# Altium PCB MB1404.PcbDoc (part 6 of 7)
Units mm, origin at the board's own origin, x right, y up, seen from the top; angles counter-clockwise.
Board outline 70 x 133.34 mm, 6 copper layers (Top Layer, Signal Layer 1, Signal Layer 2, Signal Layer 3, Signal Layer 4, Bottom Layer), stack 1.57 mm thick; 345 components, 311 nets, 1508 pads, 1746 vias.
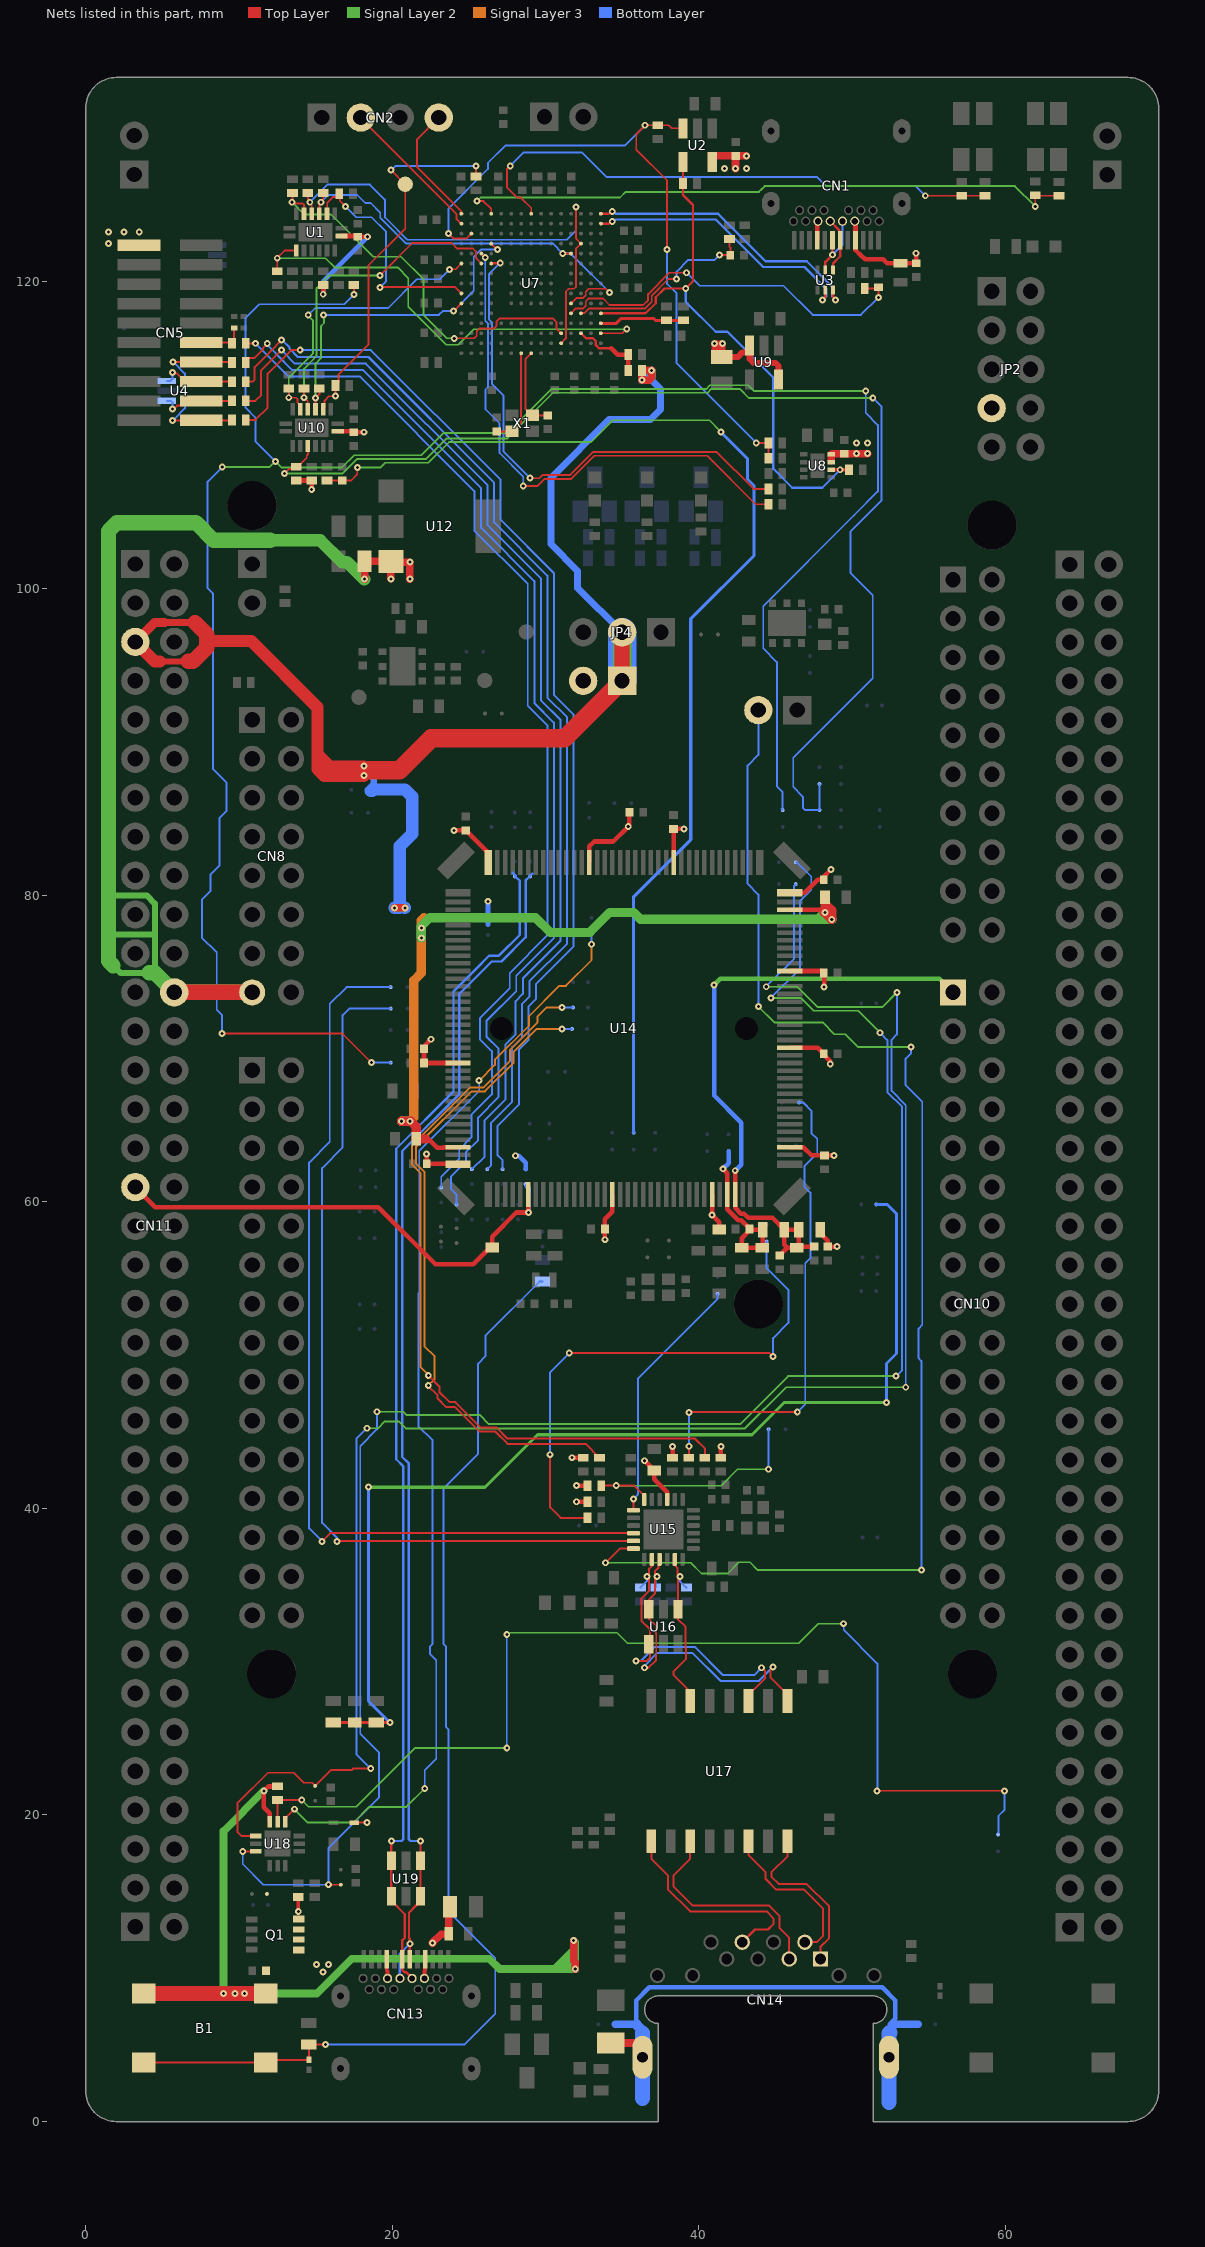
[diagram p10: the nets of this part, all layers, seen from the top]

## Via types
v1: diameter 0.45, hole 0.2, Top Layer to Bottom Layer, tented both sides, 1737 vias
v2: diameter 0.6, hole 0.3, Top Layer to Bottom Layer, tented both sides, 9 vias

## Nets (pads, with @x,y where several pads share a name; then routed paths per layer and width w, separated by ;. In a path a pad name is that pad's centre, name@x,y a point inside that pad or via, vN(x,y) a via of type N, cw(c..) or ccw(c..) an arc to the next point about the centre after c; other vN are vias at no path point) (continued)
RD_P: R72.1 U15.23 U16.1 U17.6 | length 11.4
  Top Layer w0.13: U15.23@38.441,36.679 38.391,36.629 38.391,36.319 38.623,36.087 38.623,35.697 v1(38.766,35.554) 38.632,35.42 38.632,33.438 U16.1@38.641,33.429 38.641,32.781 39.148,32.274 39.148,30.85 ; 39.15,30.85 39.15,30.16 38.341,29.351 38.341,29.134 39.441,28.034 U17.6@39.441,27.434
  Bottom Layer w0.13: v1(38.766,35.554) 38.766,35.254 R72.1@39.191,34.829
RMII_CRS_DV: R37.1 SB38.2 | length 43.2
  Top Layer w0.127: v1(22.355,48.025) 22.355,47.968 22.958,47.365 22.958,47.167 23.5,46.625 24.075,46.625 25.681,45.019 26.706,45.019 27.525,44.2 32.62,44.2 R37.1@33.516,43.304
  Signal Layer 3 w0.127: v1(22.355,48.025) 22.764,48.433 22.764,49.911 22.1,50.575 22.1,61.949 21.547,62.502 21.547,63.573 25.174,67.2 26.05,67.2 27.922,69.072 27.922,69.772 29.425,71.275 v1(31.075,71.275)
  Bottom Layer w0.127: v1@31.125,71.3 31.15,71.275 SB38.2@31.725,71.275
RMII_MDC: SB62.1 U15.13 | length 16.4
  Top Layer w0.127: U15.13@35.741,39.879 v1(35.741,40.604)
  Bottom Layer w0.127: v1(35.741,40.604) 36.025,40.888 36.025,48.47 41.225,53.67 SB62.1@41.225,54
RMII_MDIO: R43.1 SB69.2 U15.12 | length 16.4
  Top Layer w0.127: R43.1@33.641,41.479 v1(34.616,41.479) 35.787,41.479 36.441,40.825 U15.12@36.441,40.579
  Signal Layer 2 w0.12: v1@34.575,41.5 34.596,41.479 v1(34.616,41.479) 41.454,41.479 42.525,42.55 v1(44.55,42.55)
  Bottom Layer w0.127: v1(44.55,42.55) 44.556,42.556 SB69.2@44.556,45.156
RMII_REF_CLK: R45.1 SB58.2 | length 35.2
  Top Layer w0.127: v1(30.3,43.5) 30.3,40.069 30.99,39.379 R45.1@32.741,39.379 ; v1(31.55,50.125) 44.625,50.125 v1(44.85,49.9)
  Bottom Layer w0.127: v1(30.3,43.5) 30.3,48.875 v1(31.55,50.125) ; SB58.2@44.425,57.4 44.425,55.675 45.85,54.25 45.85,52.1 44.85,51.1 v1(44.85,49.9)
RMII_RXD0: R40.1 SB42.1 | length 31.8
  Top Layer w0.127: R40.1@39.341,43.304 39.35,43.313 v1(39.35,44.05) ; v1(39.35,46.25) 39.375,46.275 v1(46.425,46.275)
  Bottom Layer w0.127: v1(39.35,44.05) v1(39.35,46.25) ; v1(46.425,46.275) 46.944,46.794 46.944,55.995 47.273,56.325 47.273,60.601 46.892,60.983 46.892,62.319 47.727,63.155 47.727,64.102 47.35,64.479 47.35,65.925 46.8,66.475 SB42.1@46.55,66.475 SB42.1@46.5,66.475
RMII_RXD1: R41.1 SB36.1 | length 51.1
  Top Layer w0.127: v1(22.355,48.675) 23.086,47.944 23.086,47.586 23.747,46.925 24.125,46.925 25.784,45.266 26.808,45.266 27.518,44.556 39.744,44.556 40.391,43.909 R41.1@40.391,43.304
  Signal Layer 3 w0.127: v1(22.355,48.675) 22.355,48.703 21.848,49.209 21.848,61.852 21.3,62.4 21.3,63.675 25.072,67.447 25.947,67.447 27.675,69.175 27.675,69.881 29.475,71.681 29.475,72.075 30.075,72.675 v1(31.075,72.675)
  Bottom Layer w0.127: v1(31.075,72.675) SB36.1@31.8,72.675
RMII_TX_EN: SB34.1 U15.16 | length 60.9
  Top Layer w0.127: v1(15.425,37.85) 15.954,38.379 U15.16@35.741,38.379
  Bottom Layer w0.127: v1(15.425,37.85) 14.575,38.7 14.575,62.55 15.925,63.9 15.925,72.902 17.023,74 SB34.1@19.9,74
RMII_TXD0: SB37.1 U15.17 | length 57.9
  Top Layer w0.127: v1(16.4,37.85) 16.429,37.879 U15.17@35.741,37.879
  Bottom Layer w0.127: v1(16.4,37.85) 16.4,38.073 15.424,39.049 15.424,45.576 15.422,45.578 15.422,62.199 16.772,63.549 16.772,72.175 17.197,72.6 SB37.1@19.9,72.6
RMII_TXD1: JP6.2 U15.18 | length 89.5
  Top Layer w0.127: v1(33.925,36.45) 34.854,37.379 U15.18@35.741,37.379
  Signal Layer 2 w0.12: v1(33.925,36.45) 39.475,36.45 40.175,35.75 41.875,35.75 42.609,36.484 43.341,36.484 43.85,35.975 v1(54.525,35.975) ; v1(43.886,72.736) 44.922,71.7 48.075,71.7 48.85,70.925 49.558,70.925 50.383,70.1 v1(53.85,70.1)
  Bottom Layer w0.127: v1(43.886,72.736) 43.886,80.039 43.181,80.744 43.181,88.445 43.886,89.15 JP6.2@43.886,92.074 ; v1(53.85,70.1) 53.85,69.702 53.486,69.338 53.486,67.609 54.578,66.517 54.578,51.97 54.338,51.73 54.338,49.795 54.522,49.611 54.522,38.757 54.525,38.753 v1(54.525,35.975)
RX_N: CN14.6 U17.9 | length 14.1
  Top Layer w0.13: U17.9@36.901,18.284 36.901,17.149 37.984,16.066 37.984,15.161 39.441,13.704 44.426,13.704 44.871,13.259 44.871,12.884 44.516,12.529 43.668,12.529 CN14.6@42.839,11.7
RX_P: CN14.3 U17.11 | length 14.2
  Top Layer w0.13: U17.11@39.441,18.284 39.441,17.141 38.366,16.066 38.366,15.319 39.599,14.086 44.584,14.086 45.253,13.417 45.253,12.642 45.899,11.996 CN14.3@45.899,10.6
SHGND: C91.1 CN14.SH1 CN14.SH2 SB76.1 SB77.1 | length 38.4
  Top Layer w0.5: C91.1@34.25,5.125 36.444,5.125 36.329,5.01 CN14.SH2@36.329,4.2
  Bottom Layer w0.3: 36.325,5.775 36.329,6.196 35.919,6.606 35.919,7.894 36.774,8.75 51.963,8.75 52.819,7.894 52.819,6.705 52.45,6.337 52.45,5.8
  Bottom Layer w0.5: SB77.1@34.55,6.35 35.8,6.35 36.05,6.1 36.325,5.775 ; 52.409,5.759 52.409,5.959 52.8,6.35 SB76.1@54.325,6.35
  Bottom Layer w1: 36.325,5.775 CN14.SH2@36.329,4.2 36.329,1.529 ; 52.409,1.266 CN14.SH1@52.409,4.2 52.409,5.759 52.45,5.8
STLK_LED: R8.1 R9.2 U7.D15 | length 41
  Top Layer w0.12: v1(25.541,125.279) 25.952,125.279 26.466,124.764 26.466,124.459 U7.D15@26.475,124.45 ; R8.1@61.941,125.652 R8.1@61.95,125.643 ; v1@61.95,124.975 R8.1@61.95,125.643 ; R9.2@63.491,125.627 61.966,125.627 R8.1@61.95,125.643
  Signal Layer 2 w0.12: v1(25.541,125.279) 25.771,125.509 34.859,125.509 35.225,125.875 43.925,125.875 44.1,126.05 ; 44.096,126.054 44.291,126.25 60.625,126.25 v1(61.95,124.925)
STLK_MCO: C35.1 R77.2 SB49.2 | length 77.7
  Top Layer w0.12: R77.2@15.75,107.05 C35.1@16.75,107.05 17.325,107.05 17.725,107.45 v1(17.725,107.9)
  Signal Layer 2 w0.12: v1(17.725,107.9) 19.25,107.9 19.56,108.21 22.36,108.21 23.71,109.56 32.975,109.56 34.39,110.975 40.7,110.975 41.4,110.275 v1@41.4,110.25
  Bottom Layer w0.2: SB49.2@35.75,64.5 35.75,79.9 39.475,83.625 39.475,98.025 43.6,102.15 43.6,106.725 43.175,107.15 43.175,108.475 41.437,110.212 v1(41.45,110.225)
STLK_OSC_IN: C20.2 U7.G1 X1.1 | length 6.4
  Top Layer w0.127: C20.2@26.825,110.25 X1.1@27.8,110.25 27.85,110.25 28.416,110.816 U7.G1@28.416,115.354
STLK_OSC_OUT: C24.2 U7.H1 X1.3 | length 5.4
  Top Layer w0.127: U7.H1@29.066,115.354 28.7,114.988 28.7,111.7 29.1,111.3 X1.3@29.15,111.3 C24.2@30.15,111.3
STLK_SWCLK: CN2.2 U7.A14 | length 9.3
  Top Layer w0.12: CN2.2@18.2,130.45 18.2,130.431 24.184,124.447 24.184,124.136 U7.A14@24.516,123.804
STLK_SWDIO: CN2.4 U7.A15 | length 8.1
  Top Layer w0.12: CN2.4@23.1,130.7 23.01,130.7 21.625,129.315 21.625,127.495 24.516,124.604 U7.A15@24.516,124.454
STLK_UCPD_CC1_C: C5.1 R27.2 U7.M5 | length 25.1
  Top Layer w0.12: U7.M5@31.666,117.954 31.987,118.275 32.45,118.275 32.625,118.45 32.625,118.725 32.825,118.925 33.75,118.925 34.176,118.499 36.374,118.499 36.696,118.821 36.696,119.21 38.086,120.6 v1(39.2,120.6) ; R27.2@50.825,119.575 51.65,119.575 C5.1@51.725,119.65 v1(51.725,119)
  Bottom Layer w0.12: v1(39.2,120.6) 40.05,119.75 45.525,119.75 47.425,117.85 50.575,117.85 51.7,118.975 v1@51.75,118.975
STLK_UCPD_CC2_C: C19.1 R64.2 U7.N5 | length 12.7
  Top Layer w0.12: U7.N5@32.316,117.954 32.341,117.979 32.554,117.979 32.834,118.259 36.473,118.259 36.936,118.722 36.936,119.111 38.025,120.2 38.545,120.2 v1(38.55,120.195) ; v1(41.35,121.75) C19.1@41.9,121.75 ; R64.2@42,122.8 42,122.3 42.075,122.225 C19.1@42.075,121.825
  Bottom Layer w0.12: v1@38.525,120.2 38.55,120.225 38.55,120.675 39.312,121.437 41.037,121.437 v1(41.35,121.75) v1@41.375,121.75
STLK_USB_CN_N: CN1.A7 CN1.B7 U3.2 | length 4.6
  Top Layer w0.155: U3.2@48.25,120.775 48.258,120.783 48.258,121.308 v1(48.725,121.775) CN1.A7@48.725,122.715
  Bottom Layer w0.155: v1(48.725,121.775) 49.375,122.425 CN1.B7@49.375,123.965
STLK_USB_CN_P: CN1.A6 CN1.B6 U3.1 | length 3.7
  Top Layer w0.155: CN1.B6@48.575,123.965 49.153,123.387 49.153,122.787 CN1.A6@49.225,122.715 49.225,121.677 48.758,121.211 48.758,120.783 U3.1@48.75,120.775
STLK_USB_N: U3.5 U7.R14 | length 18.1
  Top Layer w0.155: U7.R14@33.616,123.804 34.141,123.804 v1@34.276,123.938 ; v1(48.075,118.825) 48.25,119 U3.5@48.25,119.475
  Bottom Layer w0.155: v1@34.435,123.938 34.57,124.073 41.102,124.073 44.202,120.973 46.887,120.973 48.309,119.55 48.309,119.063 v1@48.075,118.829
  other v1: 34.355,123.938
STLK_USB_P: U3.6 U7.R15 | length 18.7
  Top Layer w0.155: U7.R15@33.616,124.454 34.141,124.454 v1@34.276,124.588 ; U3.6@48.75,119.475 48.75,119 v1(48.925,118.825)
  Bottom Layer w0.155: v1@34.435,124.588 34.57,124.454 41.26,124.454 44.36,121.354 47.044,121.354 48.69,119.708 48.69,119.063 v1@48.925,118.829
  other v1: 34.355,124.588
STLK_VCP_RX: R16.1 U7.C10 U10.5 | length 21.6
  Top Layer w0.12: R16.1@14.25,113.025 v1(14.25,112.45) 14.49,112.21 14.49,111.71 U10.5@14.5,111.7 ; v1@19.25,120.475 21.325,122.55 23.87,122.55 24.241,122.179 25.272,122.179 25.471,121.98 25.471,121.549 U7.C10@25.816,121.204
  Signal Layer 2 w0.12: v1(14.25,112.45) 14.25,114.35 14.9,115 14.9,115.061 15.065,115.226 15.065,119.601 15.889,120.425 v1(19.2,120.425)
STLK_VCP_TX: R95.2 U1.3 U7.A7 | length 15.3
  Top Layer w0.12: U1.3@15.75,124.45 15.76,124.46 15.76,125.16 16.15,125.55 16.355,125.55 16.55,125.745 R95.2@16.55,125.75 16.6,125.7 16.6,125.275 v1(16.95,124.925) ; v1(19.2,119.65) 19.217,119.667 24.103,119.667 U7.A7@24.516,119.254
  Bottom Layer w0.12: v1(16.95,124.925) 17.65,124.225 18.65,124.225 19.605,123.27 19.605,120.33 19.6,120.325 19.6,120.05 19.275,119.725 v1@19.275,119.675
SW_DIR: R22.2 U1.10 U7.R3 | length 30.8
  Top Layer w0.12: R22.2@12.5,120.725 v1(12.5,121.55) 12.5,121.575 12.975,122.05 U1.10@13.75,122.05 ; U7.R3@33.6,116.65 33.604,116.654 34.993,116.654 35.259,116.92 v1(35.3,116.92)
  Signal Layer 2 w0.12: v1(12.5,121.55) 15.65,121.55 16.25,120.95 20.35,120.95 21.05,120.25 21.05,118.375 23.525,115.9 24.3,115.9 25.32,116.92 v1(35.3,116.92)
T_JRCLK: R19.1 U7.A10 U10.6 | length 19.4
  Top Layer w0.12: v1(13.25,112.45) 13.725,112.45 13.83,112.345 13.83,112.12 14,111.95 U10.6@14,111.7 ; v1@13.25,112.525 R19.1@13.25,113.05 ; v1(23.75,120.825) 24.137,120.825 U7.A10@24.516,121.204
  Signal Layer 2 w0.12: v1(13.25,112.45) 13.25,113.75 14.825,115.325 14.825,117.492 14.525,117.792 v1(14.525,117.85)
  Bottom Layer w0.12: v1@14.5,117.85 v1(14.525,117.85) 14.979,118.304 19.729,118.304 21.6,120.175 23.1,120.175 v1(23.75,120.825)
T_JTDI: R81.1 U1.6 U7.L3 | length 26.1
  Top Layer w0.12: v1(13.475,125.2) 13.495,125.2 v1@13.5,125.195 ; R81.1@13.475,125.775 13.5,125.75 v1@13.5,125.195 ; U1.6@14.25,124.45 14.25,125.025 14.15,125.125 13.57,125.125 v1@13.5,125.195 ; v1(24.05,116.325) 25.35,116.325 25.511,116.486 25.511,116.78 25.525,116.794 25.525,116.8 25.684,116.959 26.4,116.959 26.404,116.962 26.638,116.962 26.811,117.136 26.811,117.43 26.99,117.609 30.492,117.609 30.563,117.538 30.711,117.39 30.711,116.959 U7.L3@31.016,116.654
  Signal Layer 2 w0.12: v1(13.475,125.2) 14.275,124.4 16.025,124.4 18.775,121.65 20.575,121.65 22.05,120.175 22.05,117.825 23.55,116.325 v1(24.05,116.325)
T_MCO: R5.2 R78.2 TP13.1 U10.3 | length 24.6
  Top Layer w0.12: U10.3@15.5,111.7 15.59,111.79 15.59,112.265 15.875,112.55 v1(16.3,112.55) ; v1@16.3,112.686 R78.2@16.3,113.25 16.495,113.445 16.495,113.945 18.45,115.9 18.45,121.075 20.85,123.475 20.85,126.275 TP13.1@20.775,126.35 ; v1(19.925,127.3) TP13.1@20.8,126.425 ; R5.2@25.466,126.879 25.475,126.888 v1(25.475,127.575)
  Bottom Layer w0.12: v1(19.925,127.3) 19.948,127.3 20.223,127.575 v1(25.475,127.575)
T_PWR_EN: R7.2 R93.2 U2.4 U7.R5 U8.2 | length 36.2
  Top Layer w0.12: R7.2@38.975,126.425 U2.4@38.975,127.825
  Top Layer w0.15: U7.R5@33.616,117.954 36.529,117.954 37.191,118.616 37.191,119.005 37.761,119.575 v1(39.15,119.575) 39.625,120.05 39.625,125.025 38.975,125.675 R7.2@38.975,126.425
  Top Layer w0.2: U8.2@48.65,107.75 v1(49.225,107.75) ; v1@49.275,107.725 49.3,107.75 R93.2@49.8,107.75
  Bottom Layer w0.15: v1(39.15,119.575) 39.15,118.7 41.1,116.75 41.875,116.75 44.85,113.775 44.85,107.825 46.1,106.575 48.05,106.575 v1(49.225,107.75)
T_PWR_EXT: R14.1 R15.1 U7.R4 | length 5.6
  Top Layer w0.2: U7.R4@33.616,117.304 34.625,117.304 34.946,117.625 37.05,117.625 37.175,117.5 ; 37.181,117.494 37.187,117.5 R15.1@37.9,117.5 R14.1@39,117.5
T_PWR_INT: R1.2 R2.2 R85.2 U2.3 U7.B13 | length 47.2
  Top Layer w0.12: v1(23.675,123.159) 24.009,122.825 24.837,122.825 U7.B13@25.166,123.154 ; v1(36.5,130.225) 35.925,129.65 35.925,128.625 37.925,126.625 37.925,122.2 v1@37.9,122.175 ; v1@36.625,130.225 R1.2@37.325,130.225 38.05,130.225 38.25,130.025 U2.3@38.975,130.025 ; v1(43.75,109.5) 44.45,109.5 R85.2@44.525,109.425 ; R2.2@44.525,108.35 R2.2@44.55,108.325 ; R2.2@44.55,108.5 R85.2@44.55,109.5
  Bottom Layer w0.12: v1(23.675,123.159) 23.675,124.8 26.25,127.375 26.25,127.775 27.375,128.9 35.175,128.9 v1(36.5,130.225) ; v1(37.925,122.125) 37.925,119.875 38.55,119.25 38.55,114.7 v1(43.75,109.5)
T_PWR_LED: R3.2 R4.2 U7.H15 | length 36.5
  Top Layer w0.12: v1(27.7,127.575) 27.5,127.375 27.5,126.145 28.145,125.5 28.4,125.5 29.075,124.825 29.075,124.463 U7.H15@29.066,124.454 ; v1(54.775,125.625) R3.2@57.15,125.625 R4.2@58.675,125.625
  Bottom Layer w0.12: v1(27.7,127.575) 28.575,128.45 32.375,128.45 33.975,126.85 47.7,126.85 48.3,126.25 54.15,126.25 v1(54.775,125.625)
T_PWR_SEL1: R86.2 U7.D10 | length 33.3
  Top Layer w0.12: v1(29,107.2) 29.6,107.2 29.8,107.4 31.589,107.4 33.089,108.9 41.175,108.9 43.575,106.5 R86.2@44.55,106.5
  Top Layer w0.15: U7.D10@26.466,121.204 26.485,121.223 27.023,121.223 v1(27.05,121.25)
  Bottom Layer w0.12: v1(27.05,121.25) 26.312,120.512 26.312,117.568 26.502,117.377 26.502,115.502 26.5,115.5 26.5,113.35 27.25,112.6 27.25,108.95 v1(29,107.2)
T_PWR_SEL2: R87.2 U7.C11 | length 34.6
  Top Layer w0.12: U7.C11@25.816,121.854 v1(26.072,121.598) ; v1(28.55,106.7) 29.5,106.7 29.95,107.15 31.679,107.15 33.189,108.66 40.54,108.66 43.7,105.5 R87.2@44.55,105.5
  Bottom Layer w0.12: v1(26.072,121.598) 26.072,117.469 26.26,117.28 26.26,113.16 26.086,112.986 26.086,111.689 27,110.775 27,108.85 28.55,107.3 v1(28.55,106.7)
T_SWCLK: R79.2 U1.4 U7.M6 U7.M11 | length 27
  Top Layer w0.12: U1.4@15.25,124.45 15.26,124.46 15.26,125.06 v1@15.35,125.15 ; v1(15.35,125.2) v1@15.35,125.15 ; R79.2@15.5,125.8 15.5,125.3 v1@15.35,125.15 ; U7.M6@31.666,118.604 32.011,118.949 32.442,118.949 32.621,119.128 32.621,119.371 32.809,119.559 33.94,119.559 v1(34.175,119.325) v1(34.175,119.325)
  Top Layer w0.15: v1(31.125,121.854) U7.M11@31.666,121.854
  Bottom Layer w0.12: v1(15.35,125.2) 15.825,125.675 17.725,125.675 18.25,125.15 18.6,125.15 19.225,124.525 19.225,124.186 19.537,123.873 19.537,123.863 20.886,122.514 30.464,122.514 v1(31.125,121.854) ; v1@31.15,121.85 31.154,121.854 31.646,121.854 31.85,121.65 v1(34.175,119.325)
T_SWDIO: R80.1 U1.5 U7.L2 U7.N12 | length 33
  Top Layer w0.12: R80.1@14.5,125.8 14.5,125.325 v1(14.625,125.2) 14.75,125.075 U1.5@14.75,124.45 ; U7.L2@31,116 31.012,116 U7.L2@31.016,116.004 31.33,116.318 31.33,119.38 31.509,119.559 31.859,119.559 32,119.7 32,122.188 U7.N12@32.316,122.504 32,122.82 v1(32,124.9)
  Bottom Layer w0.12: v1(14.625,125.2) 15.775,126.35 18.55,126.35 19.525,125.375 19.525,124.225 19.675,124.075 20.996,122.754 31.379,122.754 32,123.375 v1(32,124.9)
T_SWO: R13.1 U7.A6 U7.D12 U10.4 | length 22.7
  Top Layer w0.12: U10.4@15,111.7 v1(15,112.425) 15.25,112.675 R13.1@15.25,113.025 ; v1(24,118.1) 24.006,118.1 24.51,118.604 U7.A6@24.516,118.604 ; U7.D12@26.466,122.504 v1(26.861,122.109)
  Signal Layer 2 w0.12: v1(15,112.425) 15,114.675 15.35,115.025 15.35,117.125 15.55,117.325 15.55,117.825 v1(15.525,117.85)
  Bottom Layer w0.12: v1(15.525,117.85) 23.05,117.85 23.3,118.1 v1(24,118.1) 25.325,119.425 25.325,121.65 25.8,122.125 v1@26.825,122.125
T_VCC_AIN: R17.1 R18.1 U7.N3 | length 4.7
  Top Layer w0.15: U7.N3@32.316,116.654 32.646,116.324 33.099,116.324 33.286,116.136 33.286,115.881 33.484,115.684 34.296,115.684
  Top Layer w0.3: 34.296,115.684 34.716,115.264 R17.1@35.201,115.264 ; R18.1@35.4,114.225 R17.1@35.4,115.275
T_VCP_RX: R82.2 SB18.2 SB40.1 | length 145.2
  Top Layer w0.12: v1(8.906,70.975) 16.75,70.975 v1(18.65,69.075) ; v1(17.5,119.175) R82.2@17.5,119.8
  Signal Layer 2 w0.12: v1@8.95,107.9 v1(8.914,107.936) 12.011,107.936 v1(12.375,108.3) v1@12.4,108.3 ; v1@12.425,108.3 12.425,108.25 12.775,107.9 16.725,107.9 17.525,108.7 21.9,108.7 23.35,110.15 27.525,110.15 30.39,113.015 40.476,113.015 40.726,113.265 43.235,113.265 43.425,113.075 43.615,112.885 v1(50.89,112.885)
  Bottom Layer w0.12: v1@8.9,107.923 7.955,106.978 7.955,100.029 8.316,99.668 8.316,88.216 9.198,87.334 9.198,85.498 8.741,85.041 8.741,81.951 8.15,81.36 8.15,80.275 7.586,79.711 7.586,77.229 8.553,76.262 8.553,72.53 8.906,72.177 v1(8.906,70.975) ; v1@12.325,108.35 11.075,109.6 11.075,111.16 10.44,111.795 10.44,117.665 11.325,118.55 16.875,118.55 v1(17.5,119.175) ; v1(18.65,69.075) SB40.1@19.9,69.075 ; SB18.2@45.387,85.637 SB18.2@45.475,85.55 ; 45.45,85.7 45.45,86.75 45.1,87.1 45.1,95.2 44.2,96.1 44.2,98.85 50.125,104.775 51.685,106.335 51.685,110.665 50.89,111.46 v1(50.89,112.885)
T_VCP_TX: R20.1 SB15.1 SB24.2 U10.12 | length 77.2
  Top Layer w0.12: v1(12.975,107.495) 13.29,107.81 13.705,107.81 14.425,108.53 14.425,108.675 14.5,108.75 U10.12@14.5,109.3
  Signal Layer 2 w0.12: v1(12.975,107.495) 12.98,107.5 16.75,107.5 17.7,108.45 22.2,108.45 23.55,109.8 27.514,109.8 30.489,112.775 40.575,112.775 40.825,113.025 42.675,113.025 43.275,112.425 v1(51.35,112.425)
  Bottom Layer w0.12: SB15.1@47.875,87.25 SB24.2@47.875,85.55 46.95,85.55 46.795,85.705 46.795,86.424 46.161,87.058 46.161,88.959 51.35,94.148 51.35,99.55 49.9,101 49.9,103.725 51.925,105.75 51.925,111.85 51.4,112.375 v1@51.375,112.375 ; v1@51.337,112.413 v1(51.35,112.425)
TD_N: R75.1 U15.20 U16.4 U17.3 | length 21.1
  Top Layer w0.13: v1@36.05,30.05 36.622,30.05 36.816,30.244 36.816,31.054 U16.4@36.741,31.129 36.801,31.189 36.801,32.13 36.256,32.675 36.256,34.105 36.75,34.6 36.75,35.42 v1(36.616,35.554) 36.759,35.697 36.759,36.062 36.991,36.294 36.991,36.629 U15.20@36.941,36.679 ; U17.3@43.251,27.434 43.251,27.839 44.309,28.897 44.309,29.416 v1@44.1,29.625
  Bottom Layer w0.13: v1(35.9,30.05) 36.23,30.05 37.139,30.96 39.74,30.96 41.58,29.12 43.607,29.12 v1(44.091,29.604) ; R75.1@36.191,34.829 36.616,35.254 v1(36.616,35.554)
TD_P: R74.1 U15.21 U16.3 U17.1 | length 21.6
  Top Layer w0.11: 37.216,30.379 37.216,31.815
  Top Layer w0.13: v1@36.475,29.6 36.712,29.6 37.216,30.104 37.216,30.379 ; 37.216,31.815 37.216,32.332 36.741,32.807 U16.3@36.741,33.429 36.741,34.05 37.132,34.441 37.132,35.42 v1(37.266,35.554) 37.141,35.679 37.141,35.904 37.373,36.136 37.373,36.611 U15.21@37.441,36.679 ; v1@44.837,29.637 44.691,29.491 44.691,28.954 45.791,27.854 U17.1@45.791,27.434
  Bottom Layer w0.13: v1(36.466,29.604) 36.466,29.746 37.297,30.578 39.582,30.578 41.422,28.738 43.925,28.738 v1(44.841,29.654) ; R74.1@37.191,34.829 37.191,35.479 v1(37.266,35.554)
TRACE_CK: R89.2 SB79.2 | length 69.8
  Top Layer w0.127: R89.2@10.475,116.025 10.5,116 v1(11.075,116)
  Bottom Layer w0.127: v1(11.075,116) 13.25,113.825 17.903,113.825 25.367,106.361 25.367,103.783 28.842,100.308 28.842,92.358 30.125,91.075 30.125,77.375 27.667,74.917 27.667,73.917 25.725,71.975 25.725,70.6 26.5,69.825 26.5,67 25.171,65.671 25.171,64.196 24.375,63.4 24.375,62.8 23.2,61.625 SB79.2@23.2,60.925
TRACE_D0: R97.2 SB80.2 | length 72.2
  Top Layer w0.127: R97.2@10.45,114.75 10.45,114.845 10.642,115.037 11.011,115.037 11.561,115.586 11.561,115.676 11.85,115.965 v1(11.85,115.975)
  Bottom Layer w0.127: v1(11.85,115.975) 11.85,115.897 12.423,115.324 12.423,115.302 13.473,114.252 18.101,114.252 25.794,106.559 25.794,103.96 29.269,100.485 29.269,92.535 30.552,91.252 30.552,77.198 28.094,74.74 28.094,73.74 26.152,71.798 26.152,70.777 26.942,69.987 26.942,66.838 25.598,65.494 25.598,64.019 24.802,63.223 24.802,62.602 23.85,61.65 23.85,60.817 24.2,60.467 SB80.2@24.2,59.825
TRACE_D1: R98.2 SB81.2 | length 70.6
  Top Layer w0.127: R98.2@10.45,113.5 10.896,113.5 11.021,113.626 11.021,114.442 12.098,115.519 12.098,115.525 v1(12.775,116.202)
  Bottom Layer w0.127: v1(12.775,116.202) 12.827,116.202 13.304,115.725 13.304,115.629 13.827,115.106 18.454,115.106 26.648,106.912 26.648,104.314 30.123,100.839 30.123,92.889 31.406,91.606 31.406,76.844 28.948,74.386 28.948,73.386 28.477,72.915 28.477,70.74 27.825,70.089 27.825,66.513 26.452,65.14 26.452,62.377 SB81.2@26.2,62.125
TRACE_D2: R99.2 SB82.2 | length 70.7
  Top Layer w0.127: R99.2@10.45,112.25 11.075,112.25 11.448,112.623 11.448,114.228 v1(12.773,115.552)
  Bottom Layer w0.127: v1@12.85,115.575 12.85,115.479 13.65,114.679 18.278,114.679 26.221,106.736 26.221,104.137 29.696,100.662 29.696,92.712 30.979,91.429 30.979,77.021 28.521,74.563 28.521,73.563 28.05,73.092 28.05,70.917 27.392,70.26 27.392,66.684 26.025,65.317 26.025,62.95 SB82.2@25.2,62.125
TRACE_D3: R100.2 SB83.2 | length 72.4
  Top Layer w0.127: R100.2@10.45,111 11.075,111 11.875,111.8 11.875,114.021 13.404,115.55 v1(14,115.55)
  Bottom Layer w0.127: v1(14,115.55) 18.614,115.55 27.075,107.089 27.075,104.49 30.55,101.015 30.55,93.065 31.833,91.782 31.833,76.658 29.375,74.2 29.375,73.21 28.904,72.738 28.904,70.563 28.283,69.942 28.283,66.358 26.879,64.954 26.879,63.021 27.2,62.7 SB83.2@27.2,62.125
TRACECLK: CN5.12 R89.1 U5.1 | length 3
  Top Layer w0.127: CN5.12@7.546,116.05 R89.1@9.525,116.05 ; R89.1@9.5,116.025 R89.1@9.525,116.05 ; U5.1@9.688,117 9.688,116.213 R89.1@9.525,116.05
TRACED0: CN5.14 R97.1 U4.4 | length 5.8
  Top Layer w0.127: v1@5.725,114.775 7.541,114.775 CN5.14@7.546,114.78 9.545,114.78 R97.1@9.55,114.775
  Bottom Layer w0.127: v1@5.725,114.75 5.75,114.75 6.475,114.025 6.475,113.687 6.612,113.55 U4.4@7,113.55
  other v1: 5.7,114.775
TRACED1: CN5.16 R98.1 U4.3 | length 3.9
  Top Layer w0.127: v1(5.675,114.1) 5.729,114.046 5.954,114.046 6.183,113.817 6.214,113.817 6.45,113.581 CN5.16@6.45,113.55 ; CN5.16@7.546,113.51 9.565,113.51 R98.1@9.575,113.5
  Bottom Layer w0.127: U4.3@5.3,113.55 5.539,113.55 5.675,113.687 v1(5.675,114.1)
TRACED2: CN5.18 R99.1 U4.1 | length 4
  Top Layer w0.127: v1(5.675,111.725) 5.762,111.725 5.971,111.933 6.433,111.933 CN5.18@6.625,112.125 ; CN5.18@7.546,112.24 9.515,112.24 R99.1@9.55,112.275
  Bottom Layer w0.127: U4.1@5.3,112.25 5.539,112.25 5.675,112.113 v1(5.675,111.725)
TRACED3: CN5.20 R100.1 U4.5 | length 5.9
  Top Layer w0.127: v1(5.675,110.975) 5.68,110.97 CN5.20@7.546,110.97 9.495,110.97 R100.1@9.525,111
  Bottom Layer w0.127: v1@5.7,111.05 5.775,111.05 6.475,111.75 6.475,112.113 6.612,112.25 U4.5@7,112.25
TX_N: CN14.2 U17.14 | length 10.6
  Top Layer w0.13: U17.14@43.251,18.284 43.251,17.374 44.359,16.266 44.359,15.821 45.051,15.129 46.866,15.129 48.116,13.879 48.116,13.014 48.114,13.012 48.114,12.106 47.708,11.7 CN14.2@46.919,11.7
TX_P: CN14.1 U17.16 | length 11
  Top Layer w0.13: U17.16@45.791,18.284 45.791,17.316 44.741,16.266 44.741,15.979 45.209,15.511 47.024,15.511 48.498,14.037 48.498,12.856 48.496,12.854 48.496,11.947 47.939,11.39 CN14.1@47.939,10.6
UCPD_CC1: SB6.1 SB29.2 U18.3 | length 118.9
  Top Layer w0.12: v1(10.25,17.625) U18.3@11.1,17.625 ; v1(15.85,15.45) SB6.1@16.65,15.45
  Signal Layer 2 w0.12: v1@19.05,46.25 19.1,46.3 20.725,46.3 20.925,46.1 25.7,46.1 26.3,45.5 42.7,45.5 45.825,48.625 v1(52.875,48.625) ; v1(44.7,73.3) 46.65,73.3 47.49,72.46 50.39,72.46 v1(51.825,71.025)
  Bottom Layer w0.12: v1(10.25,17.625) 10.25,16.8 11.6,15.45 v1(15.85,15.45) 15.85,17.85 19.15,21.15 19.15,24.05 17.912,25.288 17.912,44.062 19,45.15 v1(19,46.3) ; v1(44.7,73.3) 46.606,75.206 46.606,79.629 47.333,80.356 47.333,81.217 46.46,82.09 46.421,82.09 46.361,82.15 SB29.2@46.325,82.15 ; v1(51.825,71.025) 52.3,70.55 52.3,67.158 53.258,66.2 53.258,49.008 v1(52.875,48.625)
UCPD_CC2: SB5.1 SB30.2 U18.1 | length 116.3
  Top Layer w0.12: U18.1@11.1,18.625 10.175,18.625 9.9,18.9 9.9,20.75 11.9,22.75 13.575,22.75 14.225,22.1 14.775,22.1 SB5.1@14.975,21.9 16,22.925 17.35,22.925
  Top Layer w0.127: 17.35,22.925 17.45,23.025 v1(18.6,23.025)
  Signal Layer 2 w0.127: v1(18.35,45.225) 19.075,45.225 19.525,45.675 20.425,45.675 20.886,45.214 43.014,45.214 45.7,47.9 v1(53.5,47.9) ; v1(44.4,74.025) 46.425,74.025 47.746,72.704 51.979,72.704 v1(52.925,73.65)
  Bottom Layer w0.127: v1(18.35,45.225) 17.668,44.543 17.668,23.957 v1(18.6,23.025) ; v1(44.4,74.025) 44.4,74.05 46.216,75.866 46.216,80.587 46.325,80.696 SB30.2@46.325,80.725 ; v1(52.925,73.65) 52.925,70.914 52.572,70.561 52.572,67.23 53.502,66.301 53.502,47.902 v1(53.5,47.9)
UCPD_DBn: SB31.1 U18.10 | length 72.5
  Top Layer w0.12: U18.10@13.025,19.55 13.025,19.775 v1(13.625,20.375)
  Signal Layer 2 w0.12: v1(13.625,20.375) 14.5,19.5 17.475,19.5 18.5,20.525 20.925,20.525 v1(22.125,21.725)
  Signal Layer 3 w0.12: v1(25.675,67.902) 26.7,68.927 26.7,69.25 28.925,71.475 28.925,72.098 30.908,74.081 31.331,74.081 33,75.75 v1(33,76.8)
  Bottom Layer w0.12: v1(22.125,21.725) 22.125,22.925 22.87,23.67 22.87,30.08 22.47,30.48 22.47,30.995 22.635,31.16 22.635,44.44 21.71,45.365 21.71,54.027 21.765,54.082 21.765,63.315 25.675,67.225 v1(25.675,67.902) ; v1(33,76.8) SB31.1@33,77.525
UCPD_FLT: R50.2 SB74.1 U18.11 | length 71.4
  Top Layer w0.12: U18.11@12.525,19.55 R50.2@12.525,20.975 v1(14.1,20.975) ; v1(51.625,21.575) v1(59.95,21.575)
  Signal Layer 2 w0.12: v1(14.1,20.975) 14.539,20.536 17.661,20.536 21.5,24.375 v1(27.475,24.375) ; v1(27.475,31.775) 27.584,31.884 34.666,31.884 35.351,31.199 46.514,31.199 47.79,32.475 v1(49.45,32.475)
  Bottom Layer w0.12: v1(27.475,24.375) v1(27.475,31.775) ; v1(49.45,32.475) 49.455,32.47 49.455,32.07 51.65,29.875 51.65,21.6 v1(51.625,21.575) ; 59.55,18.85 59.55,19.95 59.95,20.35 v1(59.95,21.575)
USB_FS_N: CN13.A7 CN13.B7 SB27.2 U19.1 U19.6 | length 78.4
  Top Layer w0.155: CN13.A7@21.15,10.585 v1(21.15,11.6) 21.15,11.925 21.1,11.975 21.1,13.625 21.628,14.152 21.628,14.477 U19.6@21.85,14.7 U19.1@21.85,17 v1(21.85,18.3)
  Bottom Layer w0.155: CN13.B7@20.5,9.335 20.5,10.95 v1(21.15,11.6) ; v1(21.85,18.3) 21.191,18.3 21.091,18.4 21.091,42.923 20.65,43.364 20.65,63.3 24.381,67.031 24.381,73.567 26.489,75.675 27.125,75.675 28.701,77.251 28.701,80.954 28.975,81.228 28.975,81.25 29.127,81.402
USB_FS_P: CN13.A6 CN13.B6 SB28.2 U19.3 U19.4 | length 77.7
  Top Layer w0.155: v1(19.95,18.3) U19.3@19.95,17 U19.4@19.95,14.7 19.95,14.4 20.822,13.527 20.822,11.972 20.65,11.8 20.65,9.9 20.8,9.75 20.9,9.75 21.3,9.35 CN13.B6@21.3,9.335
  Bottom Layer w0.155: v1(19.95,18.3) 20.609,18.3 20.709,18.4 20.709,42.766 20.269,43.206 20.269,63.458 24,67.189 24,73.725 25.494,75.219 26.331,76.056 26.967,76.056 28.32,77.409 28.32,80.94 28.229,81.031 28.222,81.031 28.032,81.221 SB28.2@28.032,81.257 ; 27.854,81.471 SB28.2@28.05,81.275
VBAT: C62.2 CN11.33 SB55.1 U14.6 | length 32.6
  Top Layer w0.3: CN11.33@3.246,60.959 4.555,59.65 19.1,59.65 22.825,55.925 25.3,55.925 26.4,57.025 C62.2@26.65,57.025 ; C62.2@26.525,57.025 26.525,57.725 28.1,59.3 v1(28.9,59.3) 28.9,59.341 28.866,59.375 U14.6@28.866,60.479
  Bottom Layer w0.3: 28.775,61.001 28.9,60.876 v1(28.9,59.3)
VBUS_SENSE: C85.2 R48.2 R49.1 SB56.1 | length 69.9
  Top Layer w0.2: R49.1@16.15,26.025 C85.2@17.55,26.025 17.556,26.031 R48.2@18.96,26.031 18.966,26.025 v1(19.85,26.025)
  Signal Layer 2 w0.2: v1(18.45,41.4) 18.475,41.375 26.05,41.375 29.475,44.8 43.475,44.8 45.575,46.9 v1(52.25,46.9)
  Bottom Layer w0.2: v1(18.45,41.4) 18.45,27.425 v1(19.85,26.025) ; SB56.1@51.575,59.825 52.3,59.825 52.9,59.225 52.9,50.1 52.25,49.45 v1(52.25,46.9)
VBUS_STLK: C3.2 C6.1 C18.2 C37.2 CN1.A4 CN1.A9 CN1.B4 CN1.B9 JP2.7 U2.5 U6.1 U8.3 U8.4 U9.3 U9.5 | length 23.3
  Top Layer w0.3: CN1.A9@47.725,122.715 47.725,123.915 CN1.B4@47.775,123.965 ; CN1.B9@50.175,123.965 50.225,123.915 CN1.A4@50.225,122.715 50.225,122.083 50.558,121.75 50.575,121.75 50.85,121.475 52.025,121.475 52.275,121.225 U6.1@53.15,121.225 C6.1@54.175,121.225 v1(54.175,121.875)
  Top Layer w0.4: U2.5@40.866,128.014 40.866,128.229 40.875,128.22 U2.5@40.875,127.825 ; C18.2@41.025,115.15 v1(41.025,115.975) 41.3,115.975 ; C18.2@41.3,115.15 41.3,115.975 ; C18.2@41.5,115.1 41.55,115.15 v1(41.55,115.975) 41.3,115.975 ; C18.2@41.525,115.1 41.541,115.116 42.566,115.116 42.85,115.4 43.2,115.4 43.3,115.5 U9.3@43.3,115.85 43.325,115.825 43.325,114.975 43.575,114.725 45,114.725 45.2,114.525 45.2,114.1 45.225,114.075 U9.5@45.275,114.075 ; C3.2@42.394,128.229 C3.2@42.396,128.227
  Top Layer w0.5: U2.5@40.866,128.229 C3.2@42.394,128.229 ; v1(42.401,127.401) 42.396,127.406 42.396,128.227 42.398,128.225 v1(43.1,128.225) ; U8.3@48.65,108.35 U8.4@48.65,108.65 ; U8.4@48.65,108.75 48.7,108.8 C37.2@49.475,108.8 ; C37.2@49.5,108.8 v1(50.3,108.8) v1(51,108.8)
  other v1: 50.3,109.5 51,109.5 41.676,127.401 43.101,127.401
VBUSc: C89.1 C90.2 CN13.A4 CN13.A9 CN13.B4 CN13.B9 D1.1 Q1.5 Q1.6 Q1.7 Q1.8 R55.2 SB7.2 U20.1 | length 7.2
  Top Layer w0.12: D1.1@17.525,19.5 v1(18.35,19.5)
  Top Layer w0.25: v1@13.875,13.775 R55.2@13.875,14.65 ; CN13.A4@19.65,10.585 19.65,9.85 19.7,9.8 CN13.B9@19.7,9.335 ; CN13.B4@22.1,9.335 CN13.B4@22.125,9.36 ; CN13.B4@22.125,9.525 22.1,9.55 22.1,9.8 22.15,9.85 CN13.A9@22.15,10.585
  Top Layer w0.5: v1(22.625,11.65) 23.196,12.221 23.671,12.221 U20.1@23.7,12.25 23.7,13.925 C89.1@23.775,14
  other v1: 15.475,9.75 15.075,10.25 15.85,10.25 13.875,13.7
VCAP: C50.2 C55.2 U14.70 U14.142 | length 56
  Top Layer w0.3: 22.35,64.1 22.932,63.518 23.343,63.518 23.379,63.554 U14.142@24.291,63.554 ; U14.70@45.941,79.054 48.006,79.054 48.184,78.875 v1(48.225,78.875)
  Top Layer w0.6: v1(20.604,65.25) 21.224,65.25 21.575,64.899 C55.2@21.575,64.1 22,64.1 22.175,64.1 ; v1@48.184,78.875 48.634,78.425 v1(48.675,78.425) 48.675,79.02 48.245,79.45 48.245,79.855 C50.2@48.225,79.875 v1(48.225,78.875)
  Signal Layer 2 w0.6: v1(21.9,77.2) v1(21.9,77.85) 21.9,77.975 22.45,78.525 29.35,78.525 30.305,77.57 32.895,77.57 34.2,78.875 35.75,78.875 36.2,78.425 47.775,78.425 ; 47.775,78.425 v1(48.675,78.425) v1(48.225,78.875) 47.775,78.425
  Signal Layer 3 w0.6: v1(20.604,65.25) v1(21.15,65.25) 21.4,65.5 21.4,74.425 21.9,74.925 v1(21.9,77.2) v1(21.9,77.85) 21.9,78.347 22.077,78.523 ; v1(48.225,78.875) v1(48.675,78.425)
  Bottom Layer w0.6: v1(48.225,78.875) v1(48.675,78.425)
VDD: B1.1 B1.2 C2.1 C27.1 C74.2 CN5.1 CN11.5 JP4.2 JP5.1 R18.2 R20.2 R21.2 R36.2 R39.2 R42.2 R43.2 R44.2 R50.1 R90.2 SB16.1 U1.16 U10.16 U15.9 U18.12 | length 185.7
  Top Layer w0.3: U18.12@12.025,19.55 12.025,20.1 11.625,20.5 v1(11.625,21.575) 11.904,21.854 12.504,21.854 R50.1@12.525,21.875 ; R20.2@13.75,107.05 R21.2@14.75,107.05 v1(14.75,106.45) ; v1(15.5,119.2) R90.2@15.5,119.8 ; U10.16@16.45,110.25 17.5,110.25 C27.1@17.525,110.225 ; U1.16@16.7,123 17.75,123 C2.1@17.775,122.975 ; C27.1@17.5,110.2 v1(18.15,110.2) ; C2.1@17.75,122.95 v1(18.4,122.95) ; v1(31.741,43.304) R36.2@32.466,43.304 ; v1(32.016,40.429) R44.2@32.741,40.429 ; v1(32.016,41.479) R43.2@32.741,41.479 ; v1(36.466,43.104) C74.2@37.091,42.479 37.091,41.904 37.941,41.054 U15.9@37.941,40.579 ; R39.2@38.291,43.304 v1(38.291,44.029) ; R42.2@41.441,43.304 v1(41.441,44.029)
  Top Layer w0.4: 4.846,95.249 6.701,95.249
  Top Layer w0.45: 5.154,97.789 7.126,97.789
  Top Layer w0.5: v1(20.15,79.175) 20.812,79.175 v1@20.818,79.169 ; v1(31.841,11.804) 31.841,10.479 31.941,10.379 v1(31.941,9.954) ; v1(36.3,113.6) 36.75,113.6 36.925,113.775 v1(36.925,114.225) R18.2@36.3,114.225 v1(36.3,113.6)
  Top Layer w0.6: CN11.5@3.246,96.519 4.516,97.789 5.154,97.789 ; 7.126,97.789 7.136,97.779
  Top Layer w0.8: CN11.5@3.246,96.519 4.516,95.249 4.846,95.249 ; 8.337,96.575 10.8,96.575 15.125,92.25 15.125,89.175 ; v1(18.15,87.8) 18.15,87.775 15.575,87.775 15.125,88.225 15.125,89.175 ; v1@18.15,88.4 15.9,88.4 15.125,89.175
  Top Layer w1: B1.1@3.8,8.35 v1(8.999,8.35) v1(9.749,8.35) v1(10.374,8.35) B1.2@11.75,8.35 ; 6.701,95.249 7.011,95.249 7.911,96.149 7.911,97.004 7.136,97.779 ; JP5.1@34.996,93.979 JP4.2@34.996,97.154
  Top Layer w1.2: 18.5,88.15 20.475,88.15 22.55,90.225 31.242,90.225 JP5.1@34.996,93.979
  Signal Layer 2 w0.45: v1(18.15,87.8) v1(18.15,88.425)
  Signal Layer 2 w0.5: v1(11.625,21.575) 8.999,18.949 v1(8.999,8.35) v1(9.749,8.35) v1(10.374,8.35) 15.075,8.35 17.355,10.63 26.324,10.63 27,9.954 30.604,9.954 ; v1(20.15,79.175) v1(20.825,79.175) ; v1(31.841,11.804) 31.941,11.704 31.941,10.387 ; 30.604,9.954 31.841,11.191 31.841,10.72 31.075,9.954 ; 30.604,9.954 31.075,9.954 ; 31.075,9.954 31.508,9.954 ; 31.508,9.954 31.941,10.387 ; 31.508,9.954 v1(31.941,9.954) 31.941,10.387
  Signal Layer 2 w1.2: JP5.1@34.996,93.979 JP4.2@34.996,97.154
  Signal Layer 3 w0.5: v1(8.999,8.35) v1(9.749,8.35) v1(10.374,8.35) ; v1(20.15,79.175) v1(20.825,79.175)
  Signal Layer 3 w1.2: JP5.1@34.996,93.979 JP4.2@34.996,97.154
  Bottom Layer w0.3: v1(15.5,119.2) 15.5,120.05 18.375,122.925 v1@18.375,122.975
  Bottom Layer w0.45: v1@18.2,88.4 18.3,88.3 18.536,88.3 18.8,88.036 18.8,87.25 SB16.1@18.425,86.875 ; JP4.2@34.996,97.154 32.1,100.05 32.1,101.15 30.35,102.9 30.35,107.225 34.15,111.025 36.85,111.025 37.509,111.684 37.509,113.016 36.925,113.6
  Bottom Layer w0.5: v1(31.841,11.804) 31.841,10.054 v1(31.941,9.954) ; v1(36.3,113.6) 36.925,113.6 v1(36.925,114.225) v1(36.3,113.6)
  Bottom Layer w0.8: 18.6,86.8 18.7,86.8 18.8,86.9 20.831,86.9 21.3,86.431 21.3,84 20.5,83.2 20.5,79.2 ; v1(20.15,79.175) 20.475,79.175 20.5,79.2 ; v1(20.825,79.175) 20.8,79.2 20.5,79.2
  Bottom Layer w1: v1(8.999,8.35) v1(9.749,8.35) v1(10.374,8.35)
  Bottom Layer w1.85: JP5.1@34.996,93.979 JP4.2@34.996,97.154
  other v1: 1.5,122.5 1.5,123.25 2.5,123.25 3.5,123.25
VDD_MCU: C46.2 C47.2 C48.2 C49.2 C51.2 C52.2 C53.2 C54.2 C56.2 C57.2 C58.2 C60.2 C64.1 JP5.2 R33.1 SB32.1 SB55.2 U14.17 U14.30 U14.39 U14.52 U14.62 U14.72 U14.84 U14.95 U14.108 U14.131 U14.144 | length 41.4
  Top Layer w0.3: v1(22.25,63.125) C57.2@22.25,62.475 24.27,62.475 U14.144@24.291,62.454 U14.144@24.312,62.475 ; v1(22.525,70.6) 22.075,70.15 C52.2@22.075,69.975 C54.2@22.075,69.05 22.079,69.054 U14.131@24.291,69.054 ; v1(24.025,84.225) C48.2@24.8,84.225 26.266,82.759 U14.108@26.266,82.129 ; U14.95@32.866,82.129 32.866,83.191 33.175,83.5 34.425,83.5 v1(35.4,84.475) 35.4,84.516 35.475,84.591 C46.2@35.475,85.4 ; v1(33.875,57.525) C58.2@33.875,58.225 33.875,58.85 34.366,59.341 U14.17@34.366,60.479 ; U14.84@38.366,82.129 38.366,84.309 C47.2@38.35,84.325 v1(39.025,84.325) ; U14.30@40.866,60.479 v1(40.866,59.134) 41.325,58.675 C60.2@41.325,58.2 ; U14.39@45.941,63.554 46.821,63.554 47.35,63.025 C56.2@48.2,63.025 v1(48.825,63.025) ; U14.52@45.941,70.054 45.95,70.045 47.755,70.045 C53.2@48.15,69.65 48.15,69.583 48.575,69.158 v1(48.575,68.975) ; U14.62@45.941,75.054 48.021,75.054 C51.2@48.15,74.925 48.175,74.9 v1(48.175,74) ; U14.72@45.941,80.154 46.91,80.154 47.756,81 C49.2@48.15,81 48.15,81.2 v1(48.625,81.675) ; R33.1@47.925,58.175 47.925,57.95 48.425,57.45 C64.1@48.425,57.075 v1(49.025,57.075)
  Bottom Layer w0.3: 26.25,78.075 v1(26.25,79.6) ; v1(28.05,63) 28.091,63 v1@28.119,62.971 ; v1@28.15,63 28.25,63 28.7,62.55 SB55.2@28.7,62.125
VDDA: C63.1 C67.1 C68.2 CN10.1 R32.1 R33.2 U14.33 | length 41.2
  Top Layer w0.3: v1(42.375,62.025) 42.366,62.016 U14.33@42.366,60.479 42.366,59.597 42.743,59.22 42.949,59.22 43.224,58.945 44.805,58.945 R32.1@45.575,58.175 ; C68.2@45.275,56.5 45.775,57 ; C63.1@47.525,57.075 C67.1@46.475,57.075 ; R32.1@45.575,58.175 R33.2@46.525,58.175 46.525,57.125 C67.1@46.475,57.075 ; R32.1@45.575,58.175 45.575,57.2 45.775,57 ; 45.775,57 C67.1@46.4,57 C67.1@46.475,57.075
  Signal Layer 2 w0.3: v1(41,74.15) 41.395,74.545 55.7,74.545 CN10.1@56.586,73.659
  Bottom Layer w0.3: v1(41,74.15) 41,66.933 42.775,65.158 42.775,62.425 v1(42.375,62.025)
VIN: C42.2 CN8.15 CN11.24 U12.3 | length 79
  Top Layer w0.5: v1(18.2,100.625) 18.2,101.765 C42.2@18.191,101.774 19.896,101.774 U12.3@19.916,101.754 ; C42.2@18.246,101.774 C42.2@18.266,101.754 ; v1@19.916,100.654 U12.3@19.916,101.754 ; v1(21.15,100.625) v1(21.15,101.725) 19.945,101.725 U12.3@19.916,101.754
  Top Layer w1: CN11.24@5.786,73.659 CN8.15@10.866,73.659
  Signal Layer 2 w0.4: 1.491,77.379 1.556,77.444 4.501,77.444 4.516,77.429 ; 1.491,80.129 1.636,79.984 3.986,79.984 4.516,79.454 4.516,77.429 ; 1.791,75.404 2.266,74.929 4.161,74.929 ; 4.516,74.929 4.516,77.429
  Signal Layer 2 w0.8: 12.05,103.15 15.3,103.15 16.725,101.725 17.05,101.725 v1@18.175,100.6
  Signal Layer 2 w1: 1.791,75.404 1.491,75.704 1.491,77.379 1.491,80.129 1.491,103.754 2.041,104.304 7.191,104.304 8.345,103.15 12.05,103.15 ; 4.161,74.929 4.516,74.929 CN11.24@5.786,73.659 CN8.15@10.866,73.659
  other v1: 19.916,100.629
VREFP: C61.2 C65.1 C66.2 R32.2 SB46.2 U14.32 | length 10.9
  Top Layer w0.3: v1(41.575,62.15) 41.866,61.859 U14.32@41.866,60.479 41.866,59.503 42.569,58.8 42.775,58.8 43.3,58.275 C61.2@43.3,58.225 ; C61.2@43.3,58.225 43.35,58.175 R32.2@44.175,58.175 44.175,57.025 C66.2@44.15,57 C65.1@42.8,57 42.8,57.625 43.3,58.125 C61.2@43.3,58.225
  Bottom Layer w0.3: v1(41.575,62.15) 41.95,62.525 SB46.2@41.95,63.3
WAKEUP_KEY: B1.3 B1.4 R62.2 R71.2 U22.1 | length 76.8
  Top Layer w0.12: B1.3@3.8,3.85 B1.4@11.75,3.85 11.916,4.016 U22.1@14.566,4.016 R62.2@14.566,5.029 v1(15.641,5.029)
  Bottom Layer w0.12: v1(15.641,5.029) 24.729,5.029 26.725,7.025 26.725,10.65 23.675,13.7 23.675,25.222 23.68,25.227 23.68,25.568 23.52,25.728 23.52,30.967 23.355,31.132 23.355,41.318 25.6,43.563 25.6,49.446 26.08,49.926 26.08,51.26 29.62,54.8 R71.2@29.8,54.8
pads on no net: CN1.A2 CN1.A3 CN1.A8 CN1.A10 CN1.A11 CN1.B2 CN1.B3 CN1.B8 CN1.B10 CN1.B11 CN5.7 CN11.10 CN11.26 CN11.61 CN11.67 CN12.18 CN13.A2 CN13.A3 CN13.A8 CN13.A10 CN13.A11 CN13.B2 CN13.B3 CN13.B8 CN13.B10 CN13.B11 U3.4 U7.A1 U7.A2 U7.A3 U7.A4 U7.A5 U7.A8 U7.A9 U7.A11 U7.A12 U7.A13 U7.B1 U7.B2 U7.B3 U7.B4 U7.B5 U7.B6 U7.B7 U7.B8 U7.B9 U7.B10 U7.B11 U7.B12 U7.B14 U7.B15 U7.C2 U7.C3 U7.C4 U7.C12 U7.C13 U7.C14 U7.C15 U7.D1 U7.D2 U7.D3 U7.D11 U7.D13 U7.D14 U7.E1 U7.E2 U7.E3 U7.E4 U7.E12 U7.E13 U7.E14 U7.E15 U7.F1 U7.F4 U7.F14 U7.G4 U7.G14 U7.G15 U7.H2 U7.H3 U7.H4 U7.H14 U7.J2 U7.J3 U7.J4 U7.K1 U7.K2 U7.K3 U7.K12 U7.K13 U7.K14 U7.K15 U7.L1 U7.L12 U7.L13 U7.L14 U7.L15 U7.M2 U7.M3 U7.M4 U7.M7 U7.M12 U7.M13 U7.M14 U7.M15 U7.N2 U7.N4 U7.N6 U7.N7 U7.N11 U7.N13 U7.N14 U7.N15 U7.P2 U7.P4 U7.P5 U7.P6 U7.P7 U7.P8 U7.P9 U7.P10 U7.P11 U7.P12 U7.P13 U7.P14 U7.P15 U7.R2 U7.R6 U7.R7 U7.R8 U7.R9 U7.R10 U7.R11 U7.R12 U7.R13 U9.4 U11.3 U14.0 U17.4 U17.5 U17.12 U17.13 U19.5

## Text inside footprints (layer, text, board x,y; h text height)
LD4: Top Overlay "G" at 62.716,129.479 h1.5 r180; Top Overlay "R" at 62.716,129.479 h1.5 r180; Top Overlay "1" at 62.716,129.479 h1.5 r180; M14-Top Assembly "R" at 62.716,129.479 h1.5 r180; M14-Top Assembly "G" at 62.716,129.479 h1.5 r180
LD5: M14-Top Assembly "K" at 63.413,122.062 h0.75
LD6: Top Overlay "R" at 57.875,129.479 h1.5 r180; Top Overlay "G" at 57.875,129.479 h1.5 r180; Top Overlay "1" at 57.875,129.479 h1.5 r180; M14-Top Assembly "G" at 57.875,129.479 h1.5 r180; M14-Top Assembly "R" at 57.875,129.479 h1.5 r180
LD7: M14-Top Assembly "K" at 32.491,3.629 h0.75 r90
Q1: Top Overlay "1" at 10.7,13.8 h1.3 r90; M14-Top Assembly "1" at 10.975,13.25 h0.5 r270; M14-Top Assembly "2" at 10.975,12.625 h0.5 r270; M14-Top Assembly "3" at 10.975,11.975 h0.5 r270; M14-Top Assembly "4" at 10.975,11.35 h0.5 r270; M14-Top Assembly "5" at 13.45,11.3 h0.5 r270; M14-Top Assembly "6" at 13.45,11.975 h0.5 r270; M14-Top Assembly "7" at 13.45,12.625 h0.5 r270; M14-Top Assembly "8" at 13.45,13.275 h0.5 r270
U1: Top Overlay "1" at 16.95,124.05 h1.4; M14-Top Assembly "1" at 16.7,123.45 h0.4 r90; M14-Top Assembly "15" at 16.075,122.025 h0.4; M14-Top Assembly "10" at 13.575,122.025 h0.4; M14-Top Assembly "9" at 13.325,123.075 h0.4 r270; M14-Top Assembly "8" at 13.325,123.575 h0.4 r270; M14-Top Assembly "7" at 13.825,124.45 h0.4 r180; M14-Top Assembly "2" at 16.325,124.425 h0.4 r180; M14-Top Assembly "16" at 16.7,122.825 h0.4 r90; M14-Top Assembly "17" at 14.875,123.425 h0.4 r270
U2: Top Overlay "1" at 41.334,130.011 h1.5
U3: Top Overlay "1" at 49.55,121.225 h1.3 r180; M14-Top Assembly "1" at 48.825,120.875 h0.5 r180; M14-Top Assembly "2" at 48.35,120.875 h0.5 r180; M14-Top Assembly "3" at 47.85,120.875 h0.5 r180; M14-Top Assembly "4" at 47.86,119.692 h0.5 r180; M14-Top Assembly "5" at 48.35,119.7 h0.5 r180; M14-Top Assembly "6" at 48.85,119.7 h0.5 r180
U5: M14-Top Assembly "K" at 9.425,116.85 h0.45
U6: M14-Top Assembly "K" at 52.825,121.4 h1 r270
U7: M14-Top Assembly "A1" at 24.666,115.004 h0.75 r90
U8: Top Overlay "1" at 49.2,107.3 h1.3 r270; M14-Top Assembly "8" at 47.05,107.425 h0.5 r180; M14-Top Assembly "5" at 47.05,108.9 h0.5 r180; M14-Top Assembly "4" at 48.675,108.9 h0.5 r180; M14-Top Assembly "1" at 48.65,107.425 h0.5 r180
U10: Top Overlay "1" at 16.7,111.3 h1.4; M14-Top Assembly "1" at 16.45,110.7 h0.4 r90; M14-Top Assembly "15" at 15.825,109.275 h0.4; M14-Top Assembly "10" at 13.325,109.275 h0.4; M14-Top Assembly "9" at 13.075,110.325 h0.4 r270; M14-Top Assembly "8" at 13.075,110.825 h0.4 r270; M14-Top Assembly "7" at 13.575,111.7 h0.4 r180; M14-Top Assembly "2" at 16.075,111.675 h0.4 r180; M14-Top Assembly "16" at 16.45,110.075 h0.4 r90; M14-Top Assembly "17" at 14.625,110.675 h0.4 r270
U11: Top Overlay "1" at 47.427,98.349 h1.5
U12: Top Overlay "1" at 20.275,107.25 h1.5 r90; M14-Top Assembly "3" at 19.691,102.104 h1.5 r270; M14-Top Assembly "2" at 19.716,104.404 h1.5 r270; M14-Top Assembly "1" at 19.741,106.554 h1.5 r270; M14-Top Assembly "4" at 25.466,104.379 h1.5 r270
U13: Top Overlay "1" at 19.9,96.625 h1.5 r90
U14: Top Overlay "1" at 26.325,58.725 h1.5 r90; M14-Top Assembly "109" at 26.066,78.729 h1 r90; M14-Top Assembly "37" at 45.116,61.579 h1 r90; M14-Top Assembly "72" at 45.141,79.154 h1 r90; M14-Top Assembly "73" at 44.366,79.354 h1 r90; M14-Top Assembly "144" at 26.066,61.829 h1 r90; M14-Top Assembly "108" at 26.866,79.279 h1 r90; M14-Top Assembly "36" at 44.366,61.304 h1 r90; M14-Top Assembly "1" at 26.691,61.454 h1 r90
U15: Top Overlay "1" at 39.85,36.125 h1.5; M14-Top Assembly "6" at 40.141,39.754 h0.65 r90; M14-Top Assembly "24" at 39.266,36.579 h0.65 r180; M14-Top Assembly "19" at 36.716,36.579 h0.65 r180; M14-Top Assembly "18" at 35.241,37.654 h0.65 r270; M14-Top Assembly "13" at 35.241,40.154 h0.65 r270; M14-Top Assembly "12" at 36.716,41.079 h0.65 r180; M14-Top Assembly "7" at 39.091,41.079 h0.65 r180; M14-Top Assembly "1" at 40.166,37.304 h0.65 r90; M14-Top Assembly "25" at 37.991,38.854 h0.65 r180
U16: Top Overlay "1" at 39.125,33.325 h1.5; M14-Top Assembly "4" at 36.911,31.369 h0.75 r180; M14-Top Assembly "5" at 37.841,31.354 h0.75 r180; M14-Top Assembly "6" at 38.791,31.354 h0.75 r180; M14-Top Assembly "1" at 38.741,33.704 h0.75 r180; M14-Top Assembly "3" at 36.911,33.709 h0.75 r180; M14-Top Assembly "2" at 37.841,33.704 h0.75 r180
U17: Top Overlay "1" at 46.325,26.65 h1.5; Top Overlay "8" at 35.675,26.625 h1.5; Top Overlay "9" at 35.725,18.05 h1.5; Top Overlay "16" at 46.325,18.125 h1.5; M14-Top Assembly "16" at 46.426,20.459 h1.5 r180; M14-Top Assembly "9" at 37.219,20.459 h1.5 r180; M14-Top Assembly "8" at 37.219,26.209 h1.5 r180; M14-Top Assembly "1" at 45.982,26.209 h1.5 r180
U18: Top Overlay "1" at 10.525,19.15 h1.3; M14-Top Assembly "12" at 11.9,19.625 h0.4 r270; M14-Top Assembly "10" at 12.925,19.65 h0.4 r270; M14-Top Assembly "1" at 11.05,18.7 h0.4 r270; M14-Top Assembly "3" at 11.05,17.7 h0.4 r270; M14-Top Assembly "4" at 11.875,16.875 h0.4 r270; M14-Top Assembly "6" at 12.9,16.85 h0.4 r270; M14-Top Assembly "7" at 13.725,17.7 h0.4 r270; M14-Top Assembly "9" at 13.75,18.7 h0.4 r270; M14-Top Assembly "13" at 12.4,18.275 h0.4 r270
U19: Top Overlay "1" at 22.309,16.921 h1.5; M14-Top Assembly "4" at 20.12,14.94 h0.75 r180; M14-Top Assembly "5" at 21.05,14.925 h0.75 r180; M14-Top Assembly "6" at 22,14.925 h0.75 r180; M14-Top Assembly "1" at 21.95,17.275 h0.75 r180; M14-Top Assembly "3" at 20.12,17.28 h0.75 r180; M14-Top Assembly "2" at 21.05,17.275 h0.75 r180
U20: M14-Top Assembly "K" at 23.525,11.925 h1
U21: M14-Top Assembly "K" at 55.598,9.098 h0.45 r270
U22: M14-Top Assembly "K" at 14.416,4.279 h0.45 r270
U23: M14-Top Assembly "K" at 9.425,117.6 h0.45
X1: M14-Top Assembly "4" at 27.725,111.1 h0.5; M14-Top Assembly "3" at 29,111.1 h0.5; M14-Top Assembly "2" at 29,110.125 h0.5; M14-Top Assembly "1" at 27.75,110.125 h0.5
X3: M14-Top Assembly "4" at 36.6,54.75 h0.5; M14-Top Assembly "3" at 37.875,54.75 h0.5; M14-Top Assembly "2" at 37.875,53.775 h0.5; M14-Top Assembly "1" at 36.625,53.775 h0.5
X4: M14-Top Assembly "4" at 43.341,38.629 h0.5 r90; M14-Top Assembly "3" at 43.341,39.904 h0.5 r90; M14-Top Assembly "2" at 44.316,39.904 h0.5 r90; M14-Top Assembly "1" at 44.316,38.654 h0.5 r90